# KiCad board PCA20073_Tiny_Board_Panel.kicad_pcb
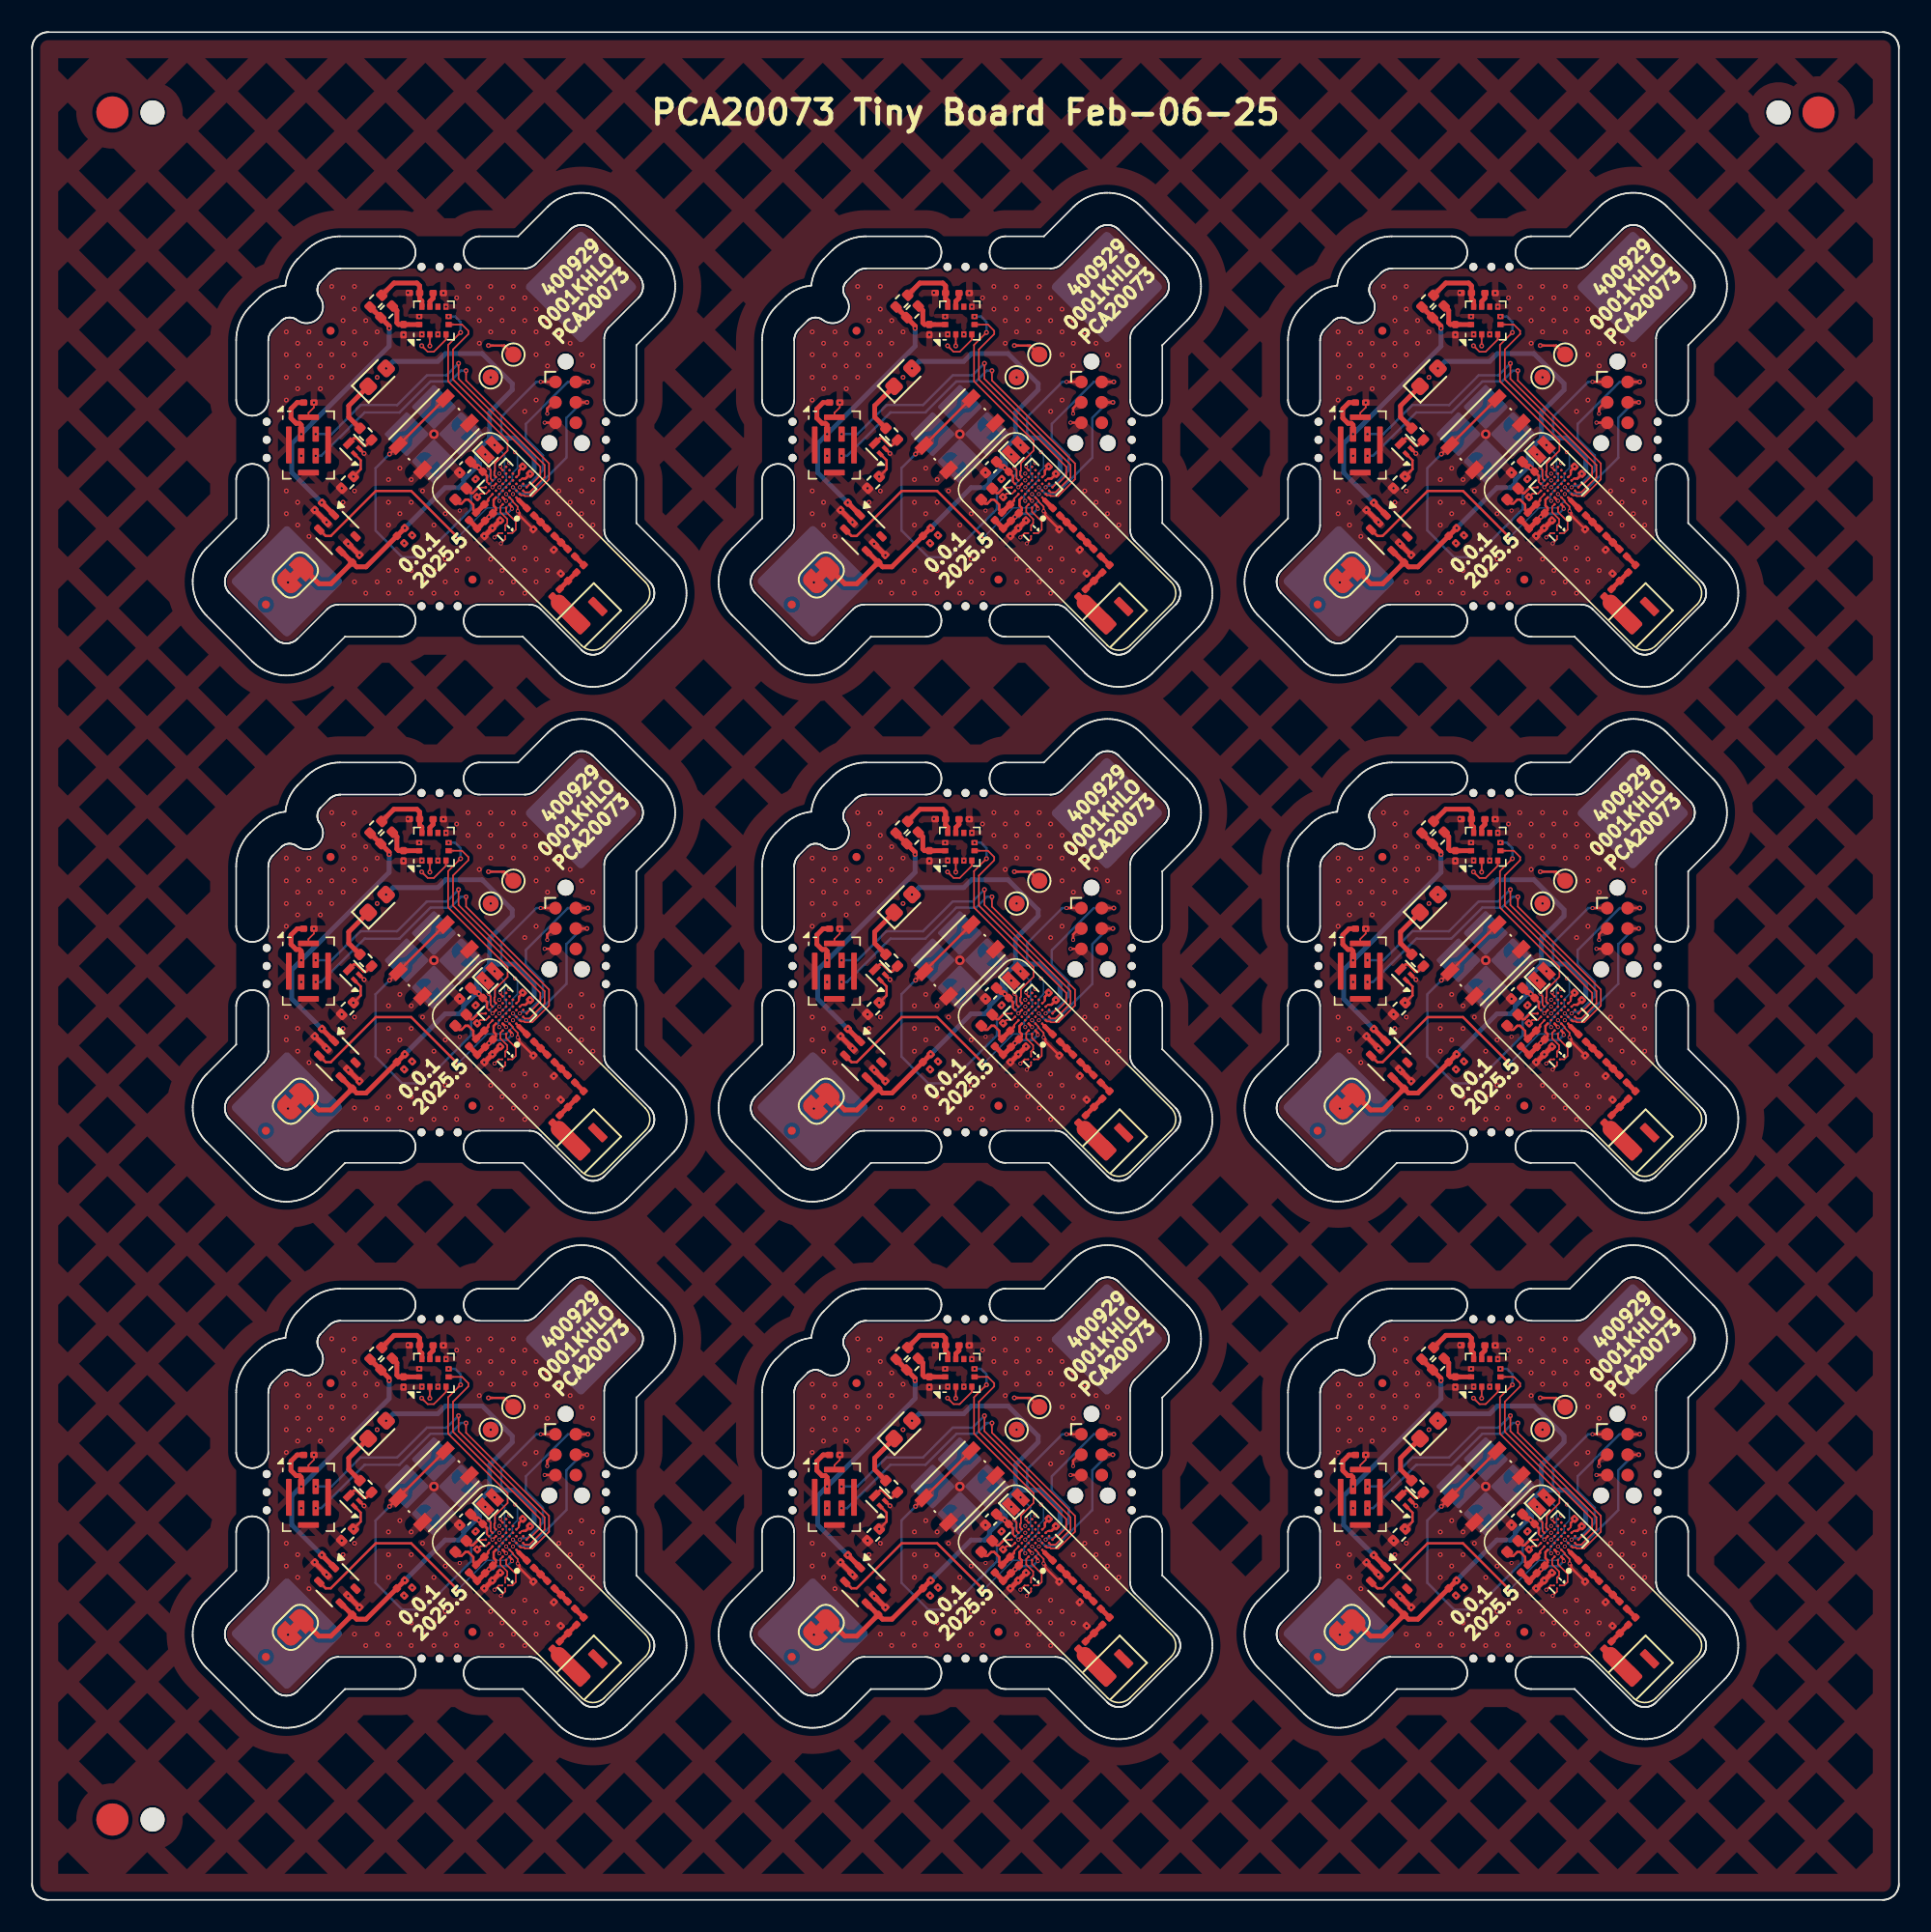
[diagram p0: board, top side]
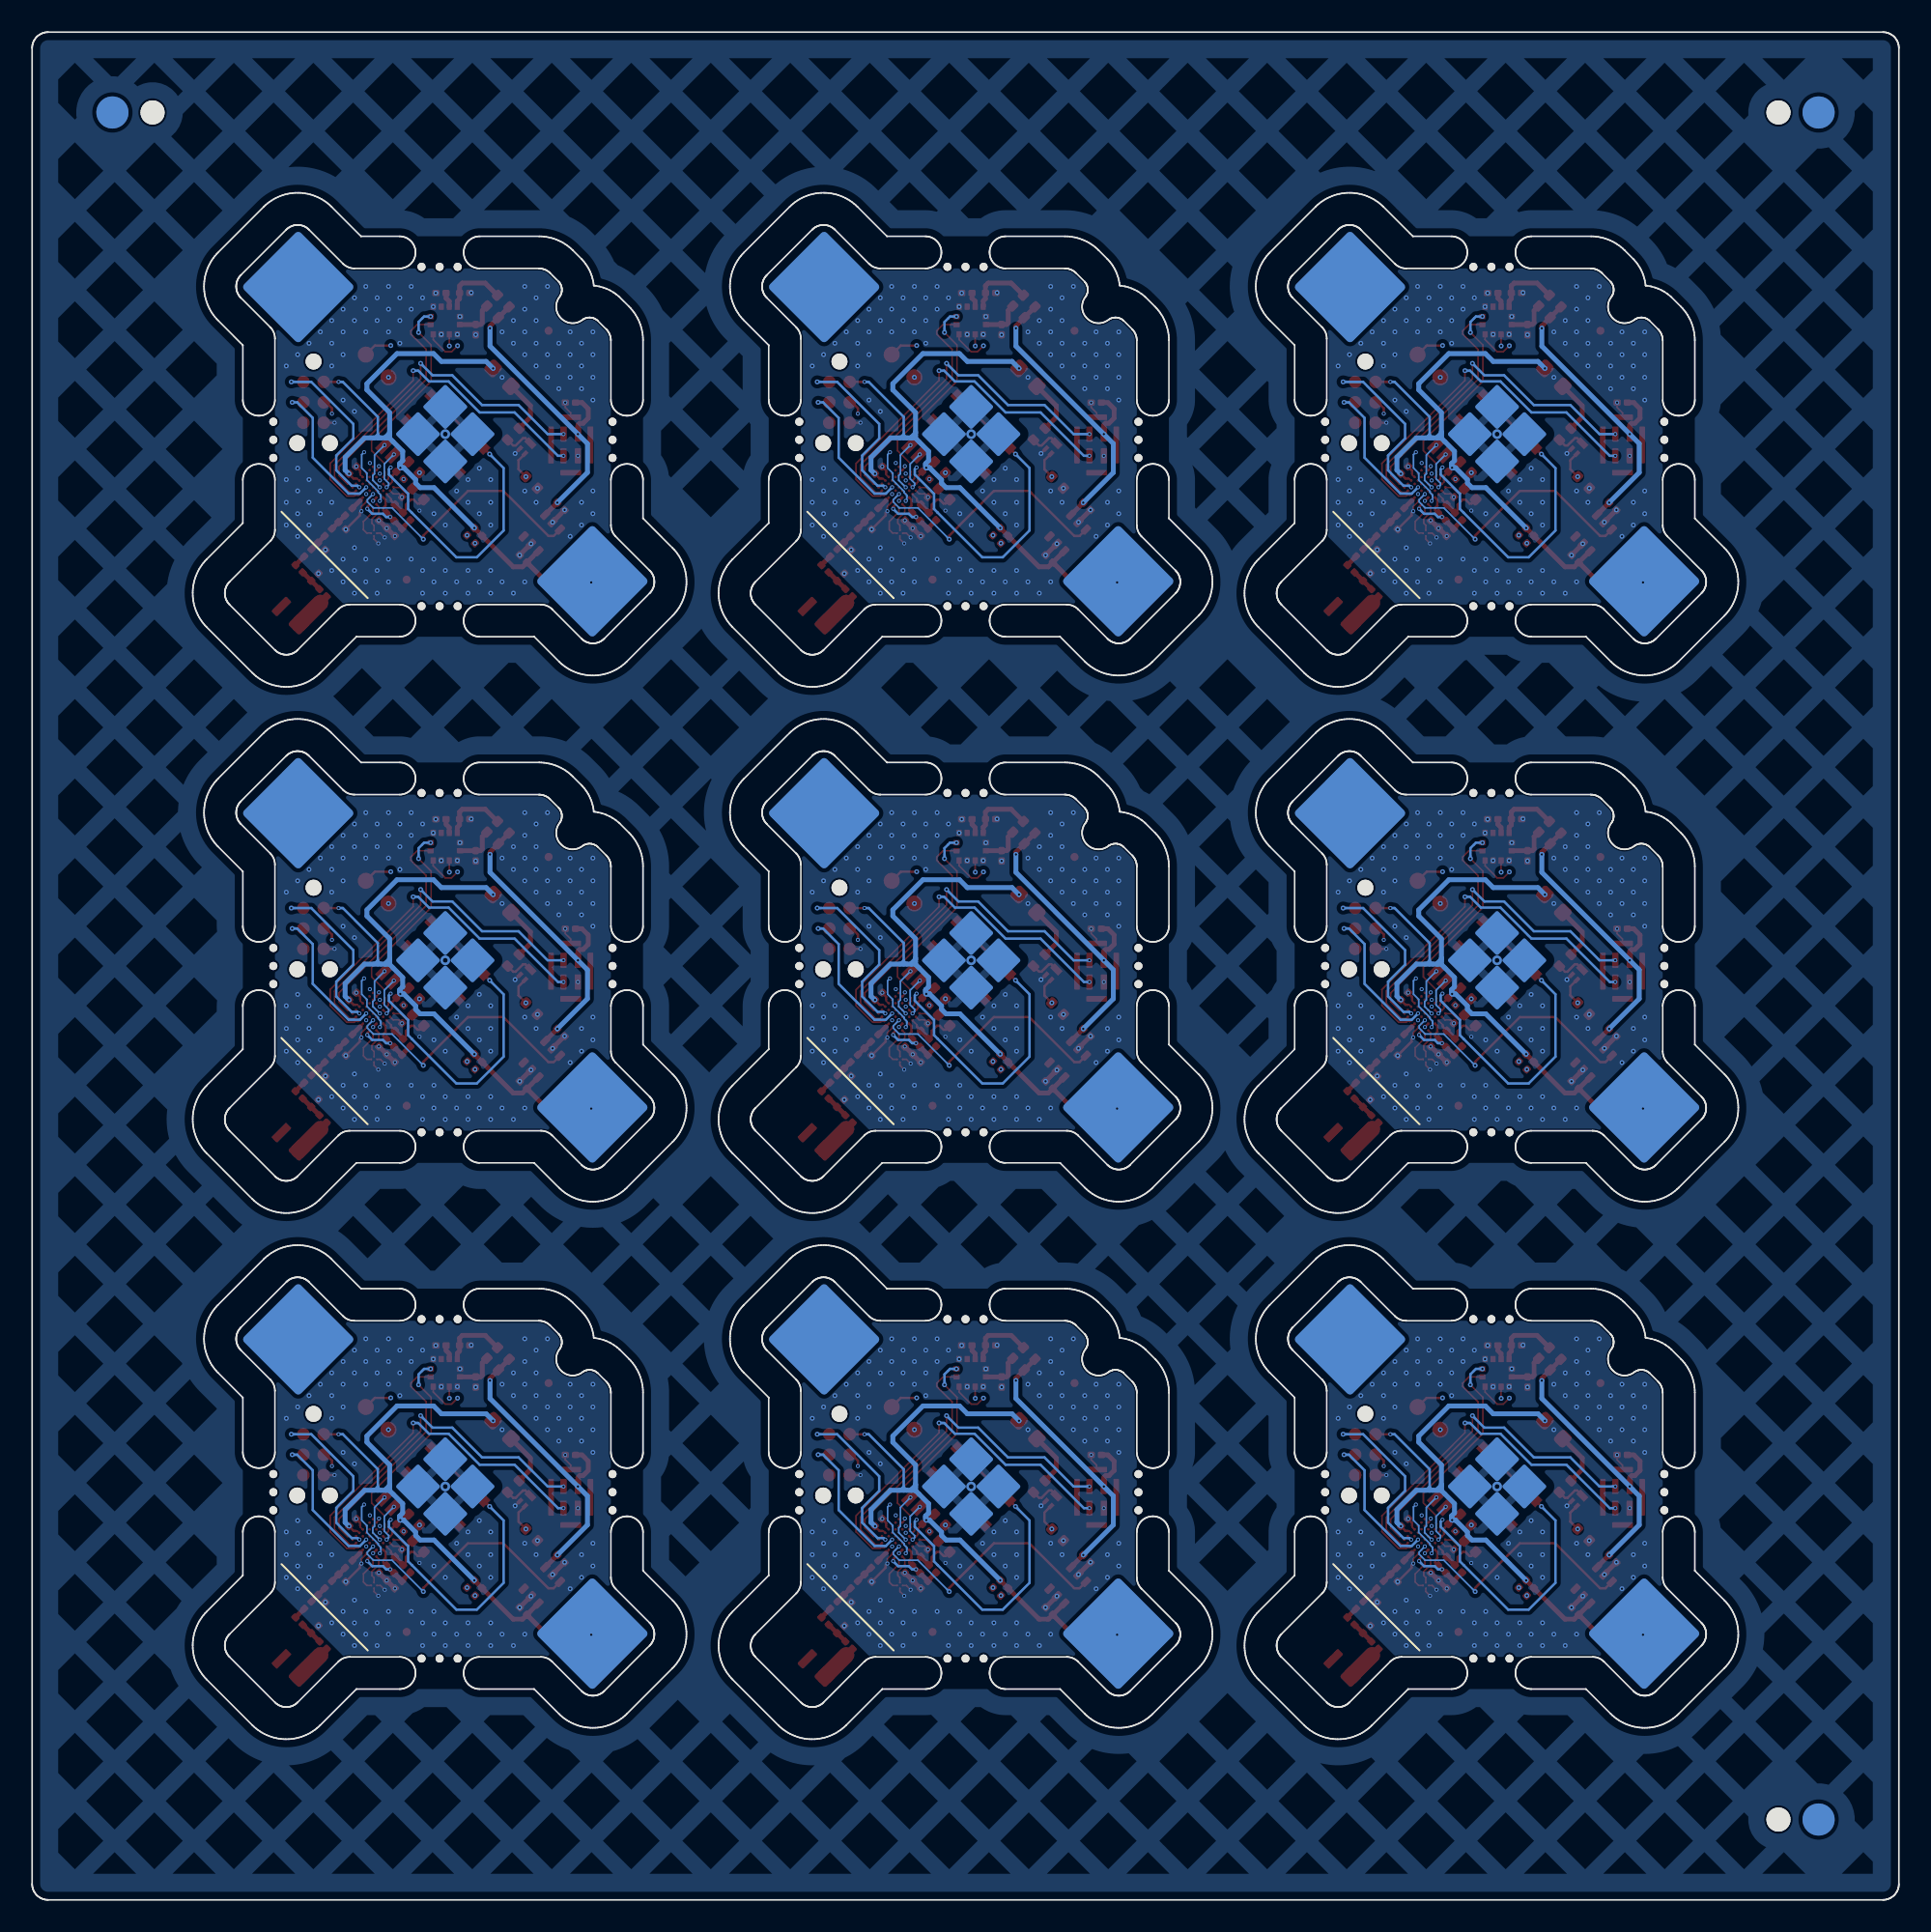
[diagram p1: board, bottom side, seen from below]

Outline 116.25 x 116.25 mm; copper layers: Top, In1.Cu, In2.Cu, Bottom. Coordinates in mm from the lower left corner of the outline.
Stack: Top 0.0356mm / dielectric 0.2032mm FR4 er 4.5 / In1.Cu 0.0356mm / dielectric 1.0287mm FR4 er 4.5 / In2.Cu 0.0356mm / dielectric 0.2032mm FR4 er 4.5 / Bottom 0.0356mm

## Placement (name value [footprint] x y rotation side)
0AE1  Antenna_Chip  [Ignion_NN02-101]  34.62 79.9 225 top
0BT1  CR2032  [BatteryHolder_Multicomp_BC-2001_1x2032]  25.02 91.23 225 bottom
0C1  2.2uF  [C_0201_0603Metric]  27.94 87.08 135 top
0C2  2.2uF  [C_0201_0603Metric]  27.93 85.11 315 top
0C3  100nF  [C_0201_0603Metric]  20.16 83.47 45 top
0C4  100nF  [C_0201_0603Metric]  17.82 86.74 225 top
0C5  3.9pF  [C_0201_0603Metric]  28.93 86.09 315 top
0C6  1.2pF  [C_0201_0603Metric]  31.44 85.53 225 top
0C8  100nF  [C_0201_0603Metric]  30.78 88.99 135 top
0C9  1.2pF  [C_0201_0603Metric]  32.71 84.25 225 top
0C10  10uF  [C_0402_1005Metric]  26.97 89.17 225 top
0C11  100nF  [C_0201_0603Metric]  27.84 88.66 225 top
0C12  10nF  [C_0201_0603Metric]  28.42 85.6 315 top
0C15  0.22uF  [C_0201_0603Metric]  25.29 100.01 0 top
0C16  100nF  [C_0201_0603Metric]  23.13 97.73 270 top
0C17  100nF  [C_0201_0603Metric]  23.81 100.01 180 top
0C20  2.2uF  [C_0201_0603Metric]  17.23 93.19 0 top
0D1  LB Q39E  [LED_0603_1608Metric]  21.49 94.76 45 top
0FB1  100R  [C_0201_0603Metric]  27.42 86.11 45 top
0FID1  Fiducial  [Fiducial_0.5mm_Mask1mm]  18.59 97.66 45 top
0FID2  Fiducial  [Fiducial_0.5mm_Mask1mm]  14.56 80.62 45 top
0FID3  Fiducial  [Fiducial_0.5mm_Mask1mm]  27.42 82.17 45 top
0J1  Conn_ARM_SWD_TagConnect_TC2030-NL  [Tag-Connect_TC2030-IDC-NL_2x03_P1.27mm_Vertical]  33.22 93.21 270 top  (not fitted)
0JP1  Jumper_2_Small_Bridged  [SolderJumper-2_P1.3mm_Bridged_RoundedPad1.0x1.5mm]  16.39 82.46 45 top  (not fitted)
0JP2  Jumper_2_Small_Bridged  [R_0402_1005Metric]  22.07 98.84 225 top
0JP3  Jumper_2_Small_Bridged  [R_0402_1005Metric]  21.41 99.51 225 top
0L1  4.7uH  [L_0402_1005Metric]  26.7 87.5 45 top
0L2  3.6nH  [L_0201_0603Metric]  31.03 86.39 315 top
0L3  4.7nH  [L_0201_0603Metric]  32.3 85.12 315 top
0L4  2nH  [L_0201_0603Metric]  33.58 83.84 315 top
0L6  4.7nH  [L_0201_0603Metric]  34.12 82.85 225 top
0L7  10nH  [L_0201_0603Metric]  32.63 81.35 225 top
0L18  4.7nH  [L_0201_0603Metric]  33.15 82.32 135 top
0MK1  MP34DT05-A  [ST_HCLGA-4_3x4mm_P1.35mm]  17.21 90.55 0 top
0Q1  Q_NMOS_GSD  [Diodes_DFN1006-3]  19.96 90.41 135 top
0R1  1kR  [R_0402_1005Metric]  20.78 91.23 315 top
0R2  10kR  [R_0201_0603Metric]  22.94 84.66 315 top
0R3  10kR  [R_0201_0603Metric]  23.44 85.16 315 top
0R4  1MR  [R_0402_1005Metric]  19.64 88.22 225 top
0SW1  SW_Push  [SW_Push_1P1T_NO_Vertical_Wuerth_434133025816]  25.02 91.23 45 top
0TP1  TestPoint  [TestPoint_Pad_D1.0mm]  28.56 94.76 45 top  (not fitted)
0TP2  TestPoint  [TestPoint_Pad_D1.0mm]  29.97 96.18 45 top  (not fitted)
0U1  nRF54L15-CAXX  [BGA-47_7x7_2.451x2.245mm]  29.58 87.88 135 top
0U2  SiP32432DR3  [SOT-363_SC-70-6]  19.01 85.07 315 top
0U3  ADXL366  [Analog_LGA-12_2.20x2.30mm_P0.5mm]  25.02 98.3 90 top
0Y1  32.768kHz  [Crystal_SMD_1210-2Pin_1.2x1.0mm]  28.51 90.25 45 top
0Y2  SiT11100  [Oscillator_SMD_SiTime_SiT11100-4Pin_0.46x0.46mm]  29.46 85.06 135 top
1AE1  Antenna_Chip  [Ignion_NN02-101]  67.37 79.9 225 top
1BT1  CR2032  [BatteryHolder_Multicomp_BC-2001_1x2032]  57.77 91.23 225 bottom
1C1  2.2uF  [C_0201_0603Metric]  60.69 87.08 135 top
1C2  2.2uF  [C_0201_0603Metric]  60.68 85.11 315 top
1C3  100nF  [C_0201_0603Metric]  52.91 83.47 45 top
1C4  100nF  [C_0201_0603Metric]  50.56 86.74 225 top
1C5  3.9pF  [C_0201_0603Metric]  61.68 86.09 315 top
1C6  1.2pF  [C_0201_0603Metric]  64.19 85.53 225 top
1C8  100nF  [C_0201_0603Metric]  63.53 88.99 135 top
1C9  1.2pF  [C_0201_0603Metric]  65.46 84.25 225 top
1C10  10uF  [C_0402_1005Metric]  59.71 89.17 225 top
1C11  100nF  [C_0201_0603Metric]  60.59 88.66 225 top
1C12  10nF  [C_0201_0603Metric]  61.17 85.6 315 top
1C15  0.22uF  [C_0201_0603Metric]  58.04 100.01 0 top
1C16  100nF  [C_0201_0603Metric]  55.87 97.73 270 top
1C17  100nF  [C_0201_0603Metric]  56.56 100.01 180 top
1C20  2.2uF  [C_0201_0603Metric]  49.98 93.19 0 top
1D1  LB Q39E  [LED_0603_1608Metric]  54.23 94.76 45 top
1FB1  100R  [C_0201_0603Metric]  60.17 86.11 45 top
1FID1  Fiducial  [Fiducial_0.5mm_Mask1mm]  51.33 97.66 45 top
1FID2  Fiducial  [Fiducial_0.5mm_Mask1mm]  47.3 80.62 45 top
1FID3  Fiducial  [Fiducial_0.5mm_Mask1mm]  60.17 82.17 45 top
1J1  Conn_ARM_SWD_TagConnect_TC2030-NL  [Tag-Connect_TC2030-IDC-NL_2x03_P1.27mm_Vertical]  65.97 93.21 270 top  (not fitted)
1JP1  Jumper_2_Small_Bridged  [SolderJumper-2_P1.3mm_Bridged_RoundedPad1.0x1.5mm]  49.14 82.46 45 top  (not fitted)
1JP2  Jumper_2_Small_Bridged  [R_0402_1005Metric]  54.82 98.84 225 top
1JP3  Jumper_2_Small_Bridged  [R_0402_1005Metric]  54.16 99.51 225 top
1L1  4.7uH  [L_0402_1005Metric]  59.45 87.5 45 top
1L2  3.6nH  [L_0201_0603Metric]  63.78 86.39 315 top
1L3  4.7nH  [L_0201_0603Metric]  65.05 85.12 315 top
1L4  2nH  [L_0201_0603Metric]  66.33 83.84 315 top
1L6  4.7nH  [L_0201_0603Metric]  66.87 82.85 225 top
1L7  10nH  [L_0201_0603Metric]  65.38 81.35 225 top
1L18  4.7nH  [L_0201_0603Metric]  65.89 82.32 135 top
1MK1  MP34DT05-A  [ST_HCLGA-4_3x4mm_P1.35mm]  49.96 90.55 0 top
1Q1  Q_NMOS_GSD  [Diodes_DFN1006-3]  52.71 90.41 135 top
1R1  1kR  [R_0402_1005Metric]  53.53 91.23 315 top
1R2  10kR  [R_0201_0603Metric]  55.69 84.66 315 top
1R3  10kR  [R_0201_0603Metric]  56.19 85.16 315 top
1R4  1MR  [R_0402_1005Metric]  52.39 88.22 225 top
1SW1  SW_Push  [SW_Push_1P1T_NO_Vertical_Wuerth_434133025816]  57.77 91.23 45 top
1TP1  TestPoint  [TestPoint_Pad_D1.0mm]  61.31 94.76 45 top  (not fitted)
1TP2  TestPoint  [TestPoint_Pad_D1.0mm]  62.72 96.18 45 top  (not fitted)
1U1  nRF54L15-CAXX  [BGA-47_7x7_2.451x2.245mm]  62.33 87.88 135 top
1U2  SiP32432DR3  [SOT-363_SC-70-6]  51.76 85.07 315 top
1U3  ADXL366  [Analog_LGA-12_2.20x2.30mm_P0.5mm]  57.77 98.3 90 top
1Y1  32.768kHz  [Crystal_SMD_1210-2Pin_1.2x1.0mm]  61.26 90.25 45 top
1Y2  SiT11100  [Oscillator_SMD_SiTime_SiT11100-4Pin_0.46x0.46mm]  62.21 85.06 135 top
2AE1  Antenna_Chip  [Ignion_NN02-101]  100.12 79.9 225 top
2BT1  CR2032  [BatteryHolder_Multicomp_BC-2001_1x2032]  90.52 91.23 225 bottom
2C1  2.2uF  [C_0201_0603Metric]  93.43 87.08 135 top
2C2  2.2uF  [C_0201_0603Metric]  93.43 85.11 315 top
2C3  100nF  [C_0201_0603Metric]  85.66 83.47 45 top
2C4  100nF  [C_0201_0603Metric]  83.31 86.74 225 top
2C5  3.9pF  [C_0201_0603Metric]  94.42 86.09 315 top
2C6  1.2pF  [C_0201_0603Metric]  96.94 85.53 225 top
2C8  100nF  [C_0201_0603Metric]  96.28 88.99 135 top
2C9  1.2pF  [C_0201_0603Metric]  98.21 84.25 225 top
2C10  10uF  [C_0402_1005Metric]  92.46 89.17 225 top
2C11  100nF  [C_0201_0603Metric]  93.34 88.66 225 top
2C12  10nF  [C_0201_0603Metric]  93.92 85.6 315 top
2C15  0.22uF  [C_0201_0603Metric]  90.79 100.01 0 top
2C16  100nF  [C_0201_0603Metric]  88.62 97.73 270 top
2C17  100nF  [C_0201_0603Metric]  89.31 100.01 180 top
2C20  2.2uF  [C_0201_0603Metric]  82.73 93.19 0 top
2D1  LB Q39E  [LED_0603_1608Metric]  86.98 94.76 45 top
2FB1  100R  [C_0201_0603Metric]  92.92 86.11 45 top
2FID1  Fiducial  [Fiducial_0.5mm_Mask1mm]  84.08 97.66 45 top
2FID2  Fiducial  [Fiducial_0.5mm_Mask1mm]  80.05 80.62 45 top
2FID3  Fiducial  [Fiducial_0.5mm_Mask1mm]  92.92 82.17 45 top
2J1  Conn_ARM_SWD_TagConnect_TC2030-NL  [Tag-Connect_TC2030-IDC-NL_2x03_P1.27mm_Vertical]  98.72 93.21 270 top  (not fitted)
2JP1  Jumper_2_Small_Bridged  [SolderJumper-2_P1.3mm_Bridged_RoundedPad1.0x1.5mm]  81.89 82.46 45 top  (not fitted)
2JP2  Jumper_2_Small_Bridged  [R_0402_1005Metric]  87.57 98.84 225 top
2JP3  Jumper_2_Small_Bridged  [R_0402_1005Metric]  86.9 99.51 225 top
2L1  4.7uH  [L_0402_1005Metric]  92.2 87.5 45 top
2L2  3.6nH  [L_0201_0603Metric]  96.53 86.39 315 top
2L3  4.7nH  [L_0201_0603Metric]  97.8 85.12 315 top
2L4  2nH  [L_0201_0603Metric]  99.07 83.84 315 top
2L6  4.7nH  [L_0201_0603Metric]  99.62 82.85 225 top
2L7  10nH  [L_0201_0603Metric]  98.13 81.35 225 top
2L18  4.7nH  [L_0201_0603Metric]  98.64 82.32 135 top
2MK1  MP34DT05-A  [ST_HCLGA-4_3x4mm_P1.35mm]  82.71 90.55 0 top
2Q1  Q_NMOS_GSD  [Diodes_DFN1006-3]  85.46 90.41 135 top
2R1  1kR  [R_0402_1005Metric]  86.28 91.23 315 top
2R2  10kR  [R_0201_0603Metric]  88.44 84.66 315 top
2R3  10kR  [R_0201_0603Metric]  88.93 85.16 315 top
2R4  1MR  [R_0402_1005Metric]  85.14 88.22 225 top
2SW1  SW_Push  [SW_Push_1P1T_NO_Vertical_Wuerth_434133025816]  90.52 91.23 45 top
2TP1  TestPoint  [TestPoint_Pad_D1.0mm]  94.05 94.76 45 top  (not fitted)
2TP2  TestPoint  [TestPoint_Pad_D1.0mm]  95.47 96.18 45 top  (not fitted)
2U1  nRF54L15-CAXX  [BGA-47_7x7_2.451x2.245mm]  95.08 87.88 135 top
2U2  SiP32432DR3  [SOT-363_SC-70-6]  84.51 85.07 315 top
2U3  ADXL366  [Analog_LGA-12_2.20x2.30mm_P0.5mm]  90.52 98.3 90 top
2Y1  32.768kHz  [Crystal_SMD_1210-2Pin_1.2x1.0mm]  94.01 90.25 45 top
2Y2  SiT11100  [Oscillator_SMD_SiTime_SiT11100-4Pin_0.46x0.46mm]  94.95 85.06 135 top
3AE1  Antenna_Chip  [Ignion_NN02-101]  34.62 47.15 225 top
3BT1  CR2032  [BatteryHolder_Multicomp_BC-2001_1x2032]  25.02 58.48 225 bottom
3C1  2.2uF  [C_0201_0603Metric]  27.94 54.33 135 top
3C2  2.2uF  [C_0201_0603Metric]  27.93 52.36 315 top
3C3  100nF  [C_0201_0603Metric]  20.16 50.72 45 top
3C4  100nF  [C_0201_0603Metric]  17.82 53.99 225 top
3C5  3.9pF  [C_0201_0603Metric]  28.93 53.34 315 top
3C6  1.2pF  [C_0201_0603Metric]  31.44 52.78 225 top
3C8  100nF  [C_0201_0603Metric]  30.78 56.24 135 top
3C9  1.2pF  [C_0201_0603Metric]  32.71 51.5 225 top
3C10  10uF  [C_0402_1005Metric]  26.97 56.42 225 top
3C11  100nF  [C_0201_0603Metric]  27.84 55.91 225 top
3C12  10nF  [C_0201_0603Metric]  28.42 52.85 315 top
3C15  0.22uF  [C_0201_0603Metric]  25.29 67.26 0 top
3C16  100nF  [C_0201_0603Metric]  23.13 64.98 270 top
3C17  100nF  [C_0201_0603Metric]  23.81 67.27 180 top
3C20  2.2uF  [C_0201_0603Metric]  17.23 60.44 0 top
3D1  LB Q39E  [LED_0603_1608Metric]  21.49 62.01 45 top
3FB1  100R  [C_0201_0603Metric]  27.42 53.36 45 top
3FID1  Fiducial  [Fiducial_0.5mm_Mask1mm]  18.59 64.91 45 top
3FID2  Fiducial  [Fiducial_0.5mm_Mask1mm]  14.56 47.87 45 top
3FID3  Fiducial  [Fiducial_0.5mm_Mask1mm]  27.42 49.43 45 top
3J1  Conn_ARM_SWD_TagConnect_TC2030-NL  [Tag-Connect_TC2030-IDC-NL_2x03_P1.27mm_Vertical]  33.22 60.46 270 top  (not fitted)
3JP1  Jumper_2_Small_Bridged  [SolderJumper-2_P1.3mm_Bridged_RoundedPad1.0x1.5mm]  16.39 49.71 45 top  (not fitted)
3JP2  Jumper_2_Small_Bridged  [R_0402_1005Metric]  22.07 66.09 225 top
3JP3  Jumper_2_Small_Bridged  [R_0402_1005Metric]  21.41 66.76 225 top
3L1  4.7uH  [L_0402_1005Metric]  26.7 54.75 45 top
3L2  3.6nH  [L_0201_0603Metric]  31.03 53.64 315 top
3L3  4.7nH  [L_0201_0603Metric]  32.3 52.37 315 top
3L4  2nH  [L_0201_0603Metric]  33.58 51.09 315 top
3L6  4.7nH  [L_0201_0603Metric]  34.12 50.1 225 top
3L7  10nH  [L_0201_0603Metric]  32.63 48.61 225 top
3L18  4.7nH  [L_0201_0603Metric]  33.15 49.57 135 top
3MK1  MP34DT05-A  [ST_HCLGA-4_3x4mm_P1.35mm]  17.21 57.8 0 top
3Q1  Q_NMOS_GSD  [Diodes_DFN1006-3]  19.96 57.66 135 top
3R1  1kR  [R_0402_1005Metric]  20.78 58.48 315 top
3R2  10kR  [R_0201_0603Metric]  22.94 51.91 315 top
3R3  10kR  [R_0201_0603Metric]  23.44 52.41 315 top
3R4  1MR  [R_0402_1005Metric]  19.64 55.47 225 top
3SW1  SW_Push  [SW_Push_1P1T_NO_Vertical_Wuerth_434133025816]  25.02 58.48 45 top
3TP1  TestPoint  [TestPoint_Pad_D1.0mm]  28.56 62.01 45 top  (not fitted)
3TP2  TestPoint  [TestPoint_Pad_D1.0mm]  29.97 63.43 45 top  (not fitted)
3U1  nRF54L15-CAXX  [BGA-47_7x7_2.451x2.245mm]  29.58 55.13 135 top
3U2  SiP32432DR3  [SOT-363_SC-70-6]  19.01 52.32 315 top
3U3  ADXL366  [Analog_LGA-12_2.20x2.30mm_P0.5mm]  25.02 65.55 90 top
3Y1  32.768kHz  [Crystal_SMD_1210-2Pin_1.2x1.0mm]  28.51 57.5 45 top
3Y2  SiT11100  [Oscillator_SMD_SiTime_SiT11100-4Pin_0.46x0.46mm]  29.46 52.32 135 top
4AE1  Antenna_Chip  [Ignion_NN02-101]  67.37 47.15 225 top
4BT1  CR2032  [BatteryHolder_Multicomp_BC-2001_1x2032]  57.77 58.48 225 bottom
4C1  2.2uF  [C_0201_0603Metric]  60.69 54.33 135 top
4C2  2.2uF  [C_0201_0603Metric]  60.68 52.36 315 top
4C3  100nF  [C_0201_0603Metric]  52.91 50.72 45 top
4C4  100nF  [C_0201_0603Metric]  50.56 53.99 225 top
4C5  3.9pF  [C_0201_0603Metric]  61.68 53.34 315 top
4C6  1.2pF  [C_0201_0603Metric]  64.19 52.78 225 top
4C8  100nF  [C_0201_0603Metric]  63.53 56.24 135 top
4C9  1.2pF  [C_0201_0603Metric]  65.46 51.5 225 top
4C10  10uF  [C_0402_1005Metric]  59.71 56.42 225 top
4C11  100nF  [C_0201_0603Metric]  60.59 55.91 225 top
4C12  10nF  [C_0201_0603Metric]  61.17 52.85 315 top
4C15  0.22uF  [C_0201_0603Metric]  58.04 67.26 0 top
4C16  100nF  [C_0201_0603Metric]  55.87 64.98 270 top
4C17  100nF  [C_0201_0603Metric]  56.56 67.27 180 top
4C20  2.2uF  [C_0201_0603Metric]  49.98 60.44 0 top
4D1  LB Q39E  [LED_0603_1608Metric]  54.23 62.01 45 top
4FB1  100R  [C_0201_0603Metric]  60.17 53.36 45 top
4FID1  Fiducial  [Fiducial_0.5mm_Mask1mm]  51.33 64.91 45 top
4FID2  Fiducial  [Fiducial_0.5mm_Mask1mm]  47.3 47.87 45 top
4FID3  Fiducial  [Fiducial_0.5mm_Mask1mm]  60.17 49.43 45 top
4J1  Conn_ARM_SWD_TagConnect_TC2030-NL  [Tag-Connect_TC2030-IDC-NL_2x03_P1.27mm_Vertical]  65.97 60.46 270 top  (not fitted)
4JP1  Jumper_2_Small_Bridged  [SolderJumper-2_P1.3mm_Bridged_RoundedPad1.0x1.5mm]  49.14 49.71 45 top  (not fitted)
4JP2  Jumper_2_Small_Bridged  [R_0402_1005Metric]  54.82 66.09 225 top
4JP3  Jumper_2_Small_Bridged  [R_0402_1005Metric]  54.16 66.76 225 top
4L1  4.7uH  [L_0402_1005Metric]  59.45 54.75 45 top
4L2  3.6nH  [L_0201_0603Metric]  63.78 53.64 315 top
4L3  4.7nH  [L_0201_0603Metric]  65.05 52.37 315 top
4L4  2nH  [L_0201_0603Metric]  66.33 51.09 315 top
4L6  4.7nH  [L_0201_0603Metric]  66.87 50.1 225 top
4L7  10nH  [L_0201_0603Metric]  65.38 48.61 225 top
4L18  4.7nH  [L_0201_0603Metric]  65.89 49.57 135 top
4MK1  MP34DT05-A  [ST_HCLGA-4_3x4mm_P1.35mm]  49.96 57.8 0 top
4Q1  Q_NMOS_GSD  [Diodes_DFN1006-3]  52.71 57.66 135 top
4R1  1kR  [R_0402_1005Metric]  53.53 58.48 315 top
4R2  10kR  [R_0201_0603Metric]  55.69 51.91 315 top
4R3  10kR  [R_0201_0603Metric]  56.19 52.41 315 top
4R4  1MR  [R_0402_1005Metric]  52.39 55.47 225 top
4SW1  SW_Push  [SW_Push_1P1T_NO_Vertical_Wuerth_434133025816]  57.77 58.48 45 top
4TP1  TestPoint  [TestPoint_Pad_D1.0mm]  61.31 62.01 45 top  (not fitted)
4TP2  TestPoint  [TestPoint_Pad_D1.0mm]  62.72 63.43 45 top  (not fitted)
4U1  nRF54L15-CAXX  [BGA-47_7x7_2.451x2.245mm]  62.33 55.13 135 top
4U2  SiP32432DR3  [SOT-363_SC-70-6]  51.76 52.32 315 top
4U3  ADXL366  [Analog_LGA-12_2.20x2.30mm_P0.5mm]  57.77 65.55 90 top
4Y1  32.768kHz  [Crystal_SMD_1210-2Pin_1.2x1.0mm]  61.26 57.5 45 top
4Y2  SiT11100  [Oscillator_SMD_SiTime_SiT11100-4Pin_0.46x0.46mm]  62.21 52.32 135 top
5AE1  Antenna_Chip  [Ignion_NN02-101]  100.12 47.15 225 top
5BT1  CR2032  [BatteryHolder_Multicomp_BC-2001_1x2032]  90.52 58.48 225 bottom
5C1  2.2uF  [C_0201_0603Metric]  93.43 54.33 135 top
5C2  2.2uF  [C_0201_0603Metric]  93.43 52.36 315 top
5C3  100nF  [C_0201_0603Metric]  85.66 50.72 45 top
5C4  100nF  [C_0201_0603Metric]  83.31 53.99 225 top
5C5  3.9pF  [C_0201_0603Metric]  94.42 53.34 315 top
5C6  1.2pF  [C_0201_0603Metric]  96.94 52.78 225 top
5C8  100nF  [C_0201_0603Metric]  96.28 56.24 135 top
5C9  1.2pF  [C_0201_0603Metric]  98.21 51.5 225 top
5C10  10uF  [C_0402_1005Metric]  92.46 56.42 225 top
5C11  100nF  [C_0201_0603Metric]  93.34 55.91 225 top
5C12  10nF  [C_0201_0603Metric]  93.92 52.85 315 top
5C15  0.22uF  [C_0201_0603Metric]  90.79 67.26 0 top
5C16  100nF  [C_0201_0603Metric]  88.62 64.98 270 top
5C17  100nF  [C_0201_0603Metric]  89.31 67.27 180 top
5C20  2.2uF  [C_0201_0603Metric]  82.73 60.44 0 top
5D1  LB Q39E  [LED_0603_1608Metric]  86.98 62.01 45 top
5FB1  100R  [C_0201_0603Metric]  92.92 53.36 45 top
5FID1  Fiducial  [Fiducial_0.5mm_Mask1mm]  84.08 64.91 45 top
5FID2  Fiducial  [Fiducial_0.5mm_Mask1mm]  80.05 47.87 45 top
5FID3  Fiducial  [Fiducial_0.5mm_Mask1mm]  92.92 49.43 45 top
5J1  Conn_ARM_SWD_TagConnect_TC2030-NL  [Tag-Connect_TC2030-IDC-NL_2x03_P1.27mm_Vertical]  98.72 60.46 270 top  (not fitted)
5JP1  Jumper_2_Small_Bridged  [SolderJumper-2_P1.3mm_Bridged_RoundedPad1.0x1.5mm]  81.89 49.71 45 top  (not fitted)
5JP2  Jumper_2_Small_Bridged  [R_0402_1005Metric]  87.57 66.09 225 top
5JP3  Jumper_2_Small_Bridged  [R_0402_1005Metric]  86.9 66.76 225 top
5L1  4.7uH  [L_0402_1005Metric]  92.2 54.75 45 top
5L2  3.6nH  [L_0201_0603Metric]  96.53 53.64 315 top
5L3  4.7nH  [L_0201_0603Metric]  97.8 52.37 315 top
5L4  2nH  [L_0201_0603Metric]  99.07 51.09 315 top
5L6  4.7nH  [L_0201_0603Metric]  99.62 50.1 225 top
5L7  10nH  [L_0201_0603Metric]  98.13 48.61 225 top
5L18  4.7nH  [L_0201_0603Metric]  98.64 49.57 135 top
5MK1  MP34DT05-A  [ST_HCLGA-4_3x4mm_P1.35mm]  82.71 57.8 0 top
5Q1  Q_NMOS_GSD  [Diodes_DFN1006-3]  85.46 57.66 135 top
5R1  1kR  [R_0402_1005Metric]  86.28 58.48 315 top
5R2  10kR  [R_0201_0603Metric]  88.44 51.91 315 top
5R3  10kR  [R_0201_0603Metric]  88.93 52.41 315 top
5R4  1MR  [R_0402_1005Metric]  85.14 55.47 225 top
5SW1  SW_Push  [SW_Push_1P1T_NO_Vertical_Wuerth_434133025816]  90.52 58.48 45 top
5TP1  TestPoint  [TestPoint_Pad_D1.0mm]  94.05 62.01 45 top  (not fitted)
5TP2  TestPoint  [TestPoint_Pad_D1.0mm]  95.47 63.43 45 top  (not fitted)
5U1  nRF54L15-CAXX  [BGA-47_7x7_2.451x2.245mm]  95.08 55.13 135 top
5U2  SiP32432DR3  [SOT-363_SC-70-6]  84.51 52.32 315 top
5U3  ADXL366  [Analog_LGA-12_2.20x2.30mm_P0.5mm]  90.52 65.55 90 top
5Y1  32.768kHz  [Crystal_SMD_1210-2Pin_1.2x1.0mm]  94.01 57.5 45 top
5Y2  SiT11100  [Oscillator_SMD_SiTime_SiT11100-4Pin_0.46x0.46mm]  94.95 52.32 135 top
6AE1  Antenna_Chip  [Ignion_NN02-101]  34.62 14.4 225 top
6BT1  CR2032  [BatteryHolder_Multicomp_BC-2001_1x2032]  25.02 25.73 225 bottom
6C1  2.2uF  [C_0201_0603Metric]  27.94 21.58 135 top
6C2  2.2uF  [C_0201_0603Metric]  27.93 19.61 315 top
6C3  100nF  [C_0201_0603Metric]  20.16 17.97 45 top
6C4  100nF  [C_0201_0603Metric]  17.82 21.24 225 top
6C5  3.9pF  [C_0201_0603Metric]  28.93 20.59 315 top
6C6  1.2pF  [C_0201_0603Metric]  31.44 20.03 225 top
6C8  100nF  [C_0201_0603Metric]  30.78 23.49 135 top
6C9  1.2pF  [C_0201_0603Metric]  32.71 18.76 225 top
6C10  10uF  [C_0402_1005Metric]  26.97 23.67 225 top
6C11  100nF  [C_0201_0603Metric]  27.84 23.16 225 top
6C12  10nF  [C_0201_0603Metric]  28.42 20.1 315 top
6C15  0.22uF  [C_0201_0603Metric]  25.29 34.51 0 top
6C16  100nF  [C_0201_0603Metric]  23.13 32.23 270 top
6C17  100nF  [C_0201_0603Metric]  23.81 34.52 180 top
6C20  2.2uF  [C_0201_0603Metric]  17.23 27.69 0 top